# KiCad board PC110.kicad_pcb
title: MINI ITX KICAD Template; date: 2023-04-20; rev: 0.8; company: morpheans.com
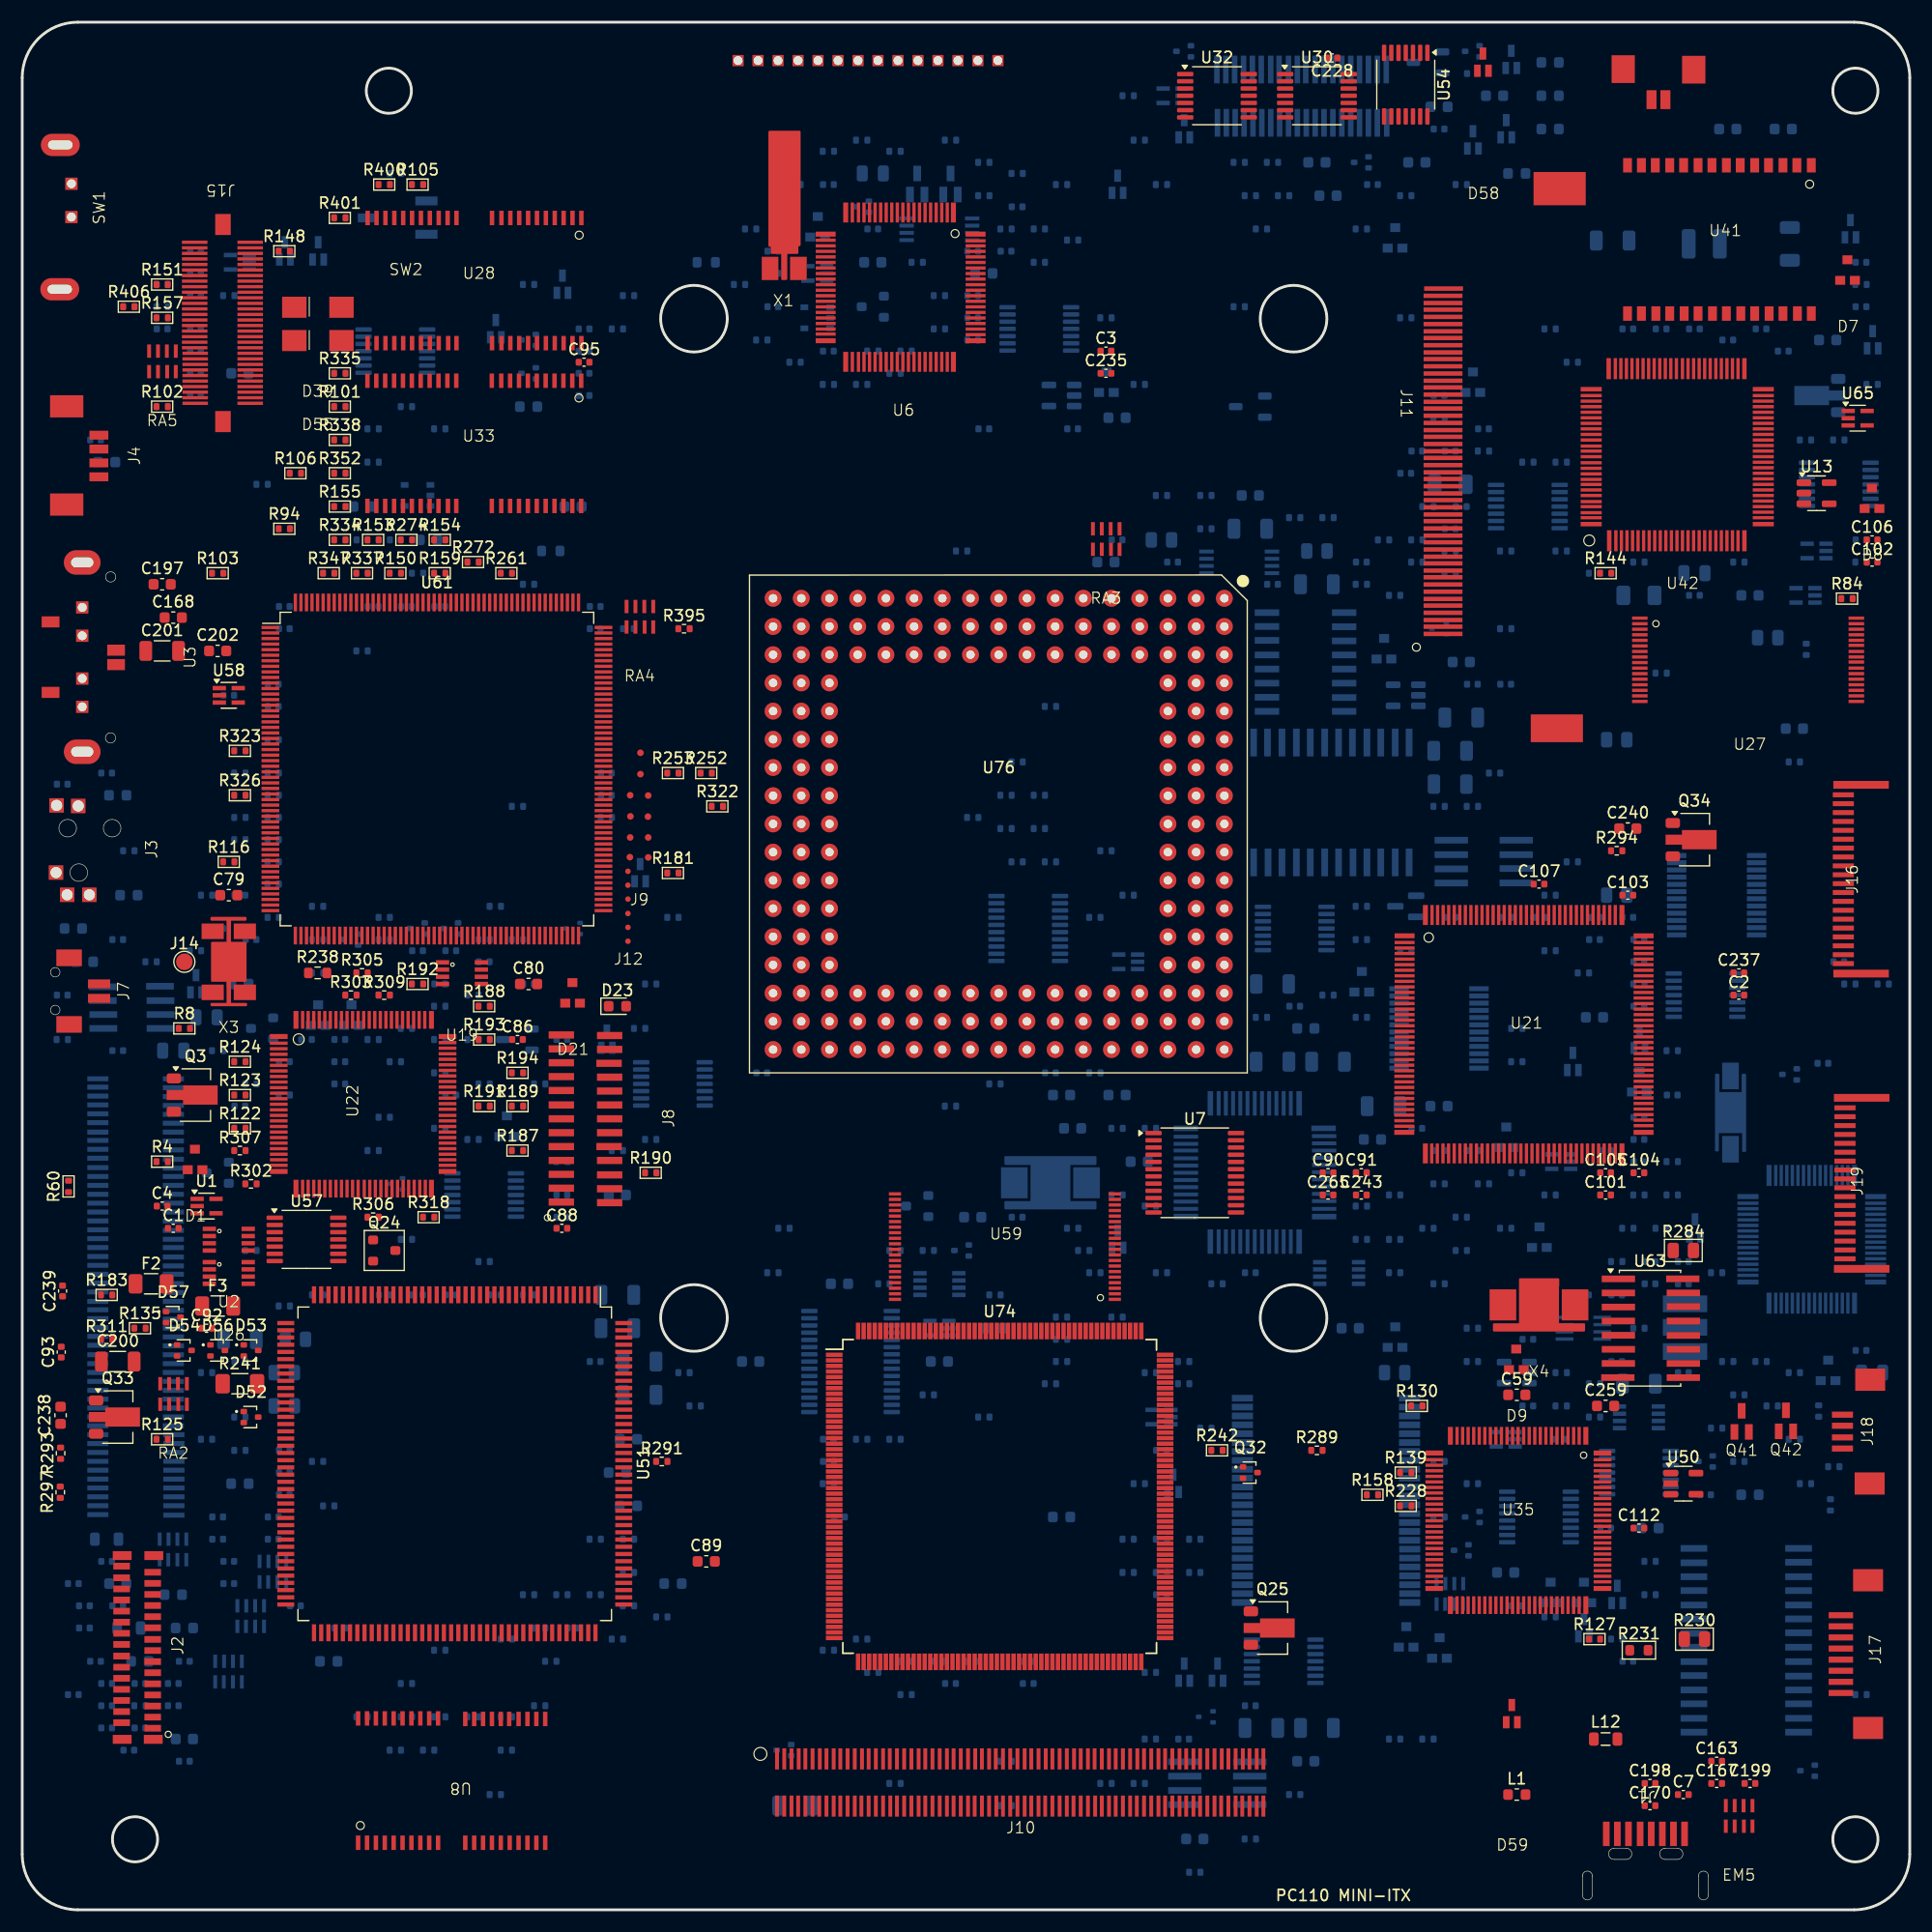
[diagram p0: board, top side]
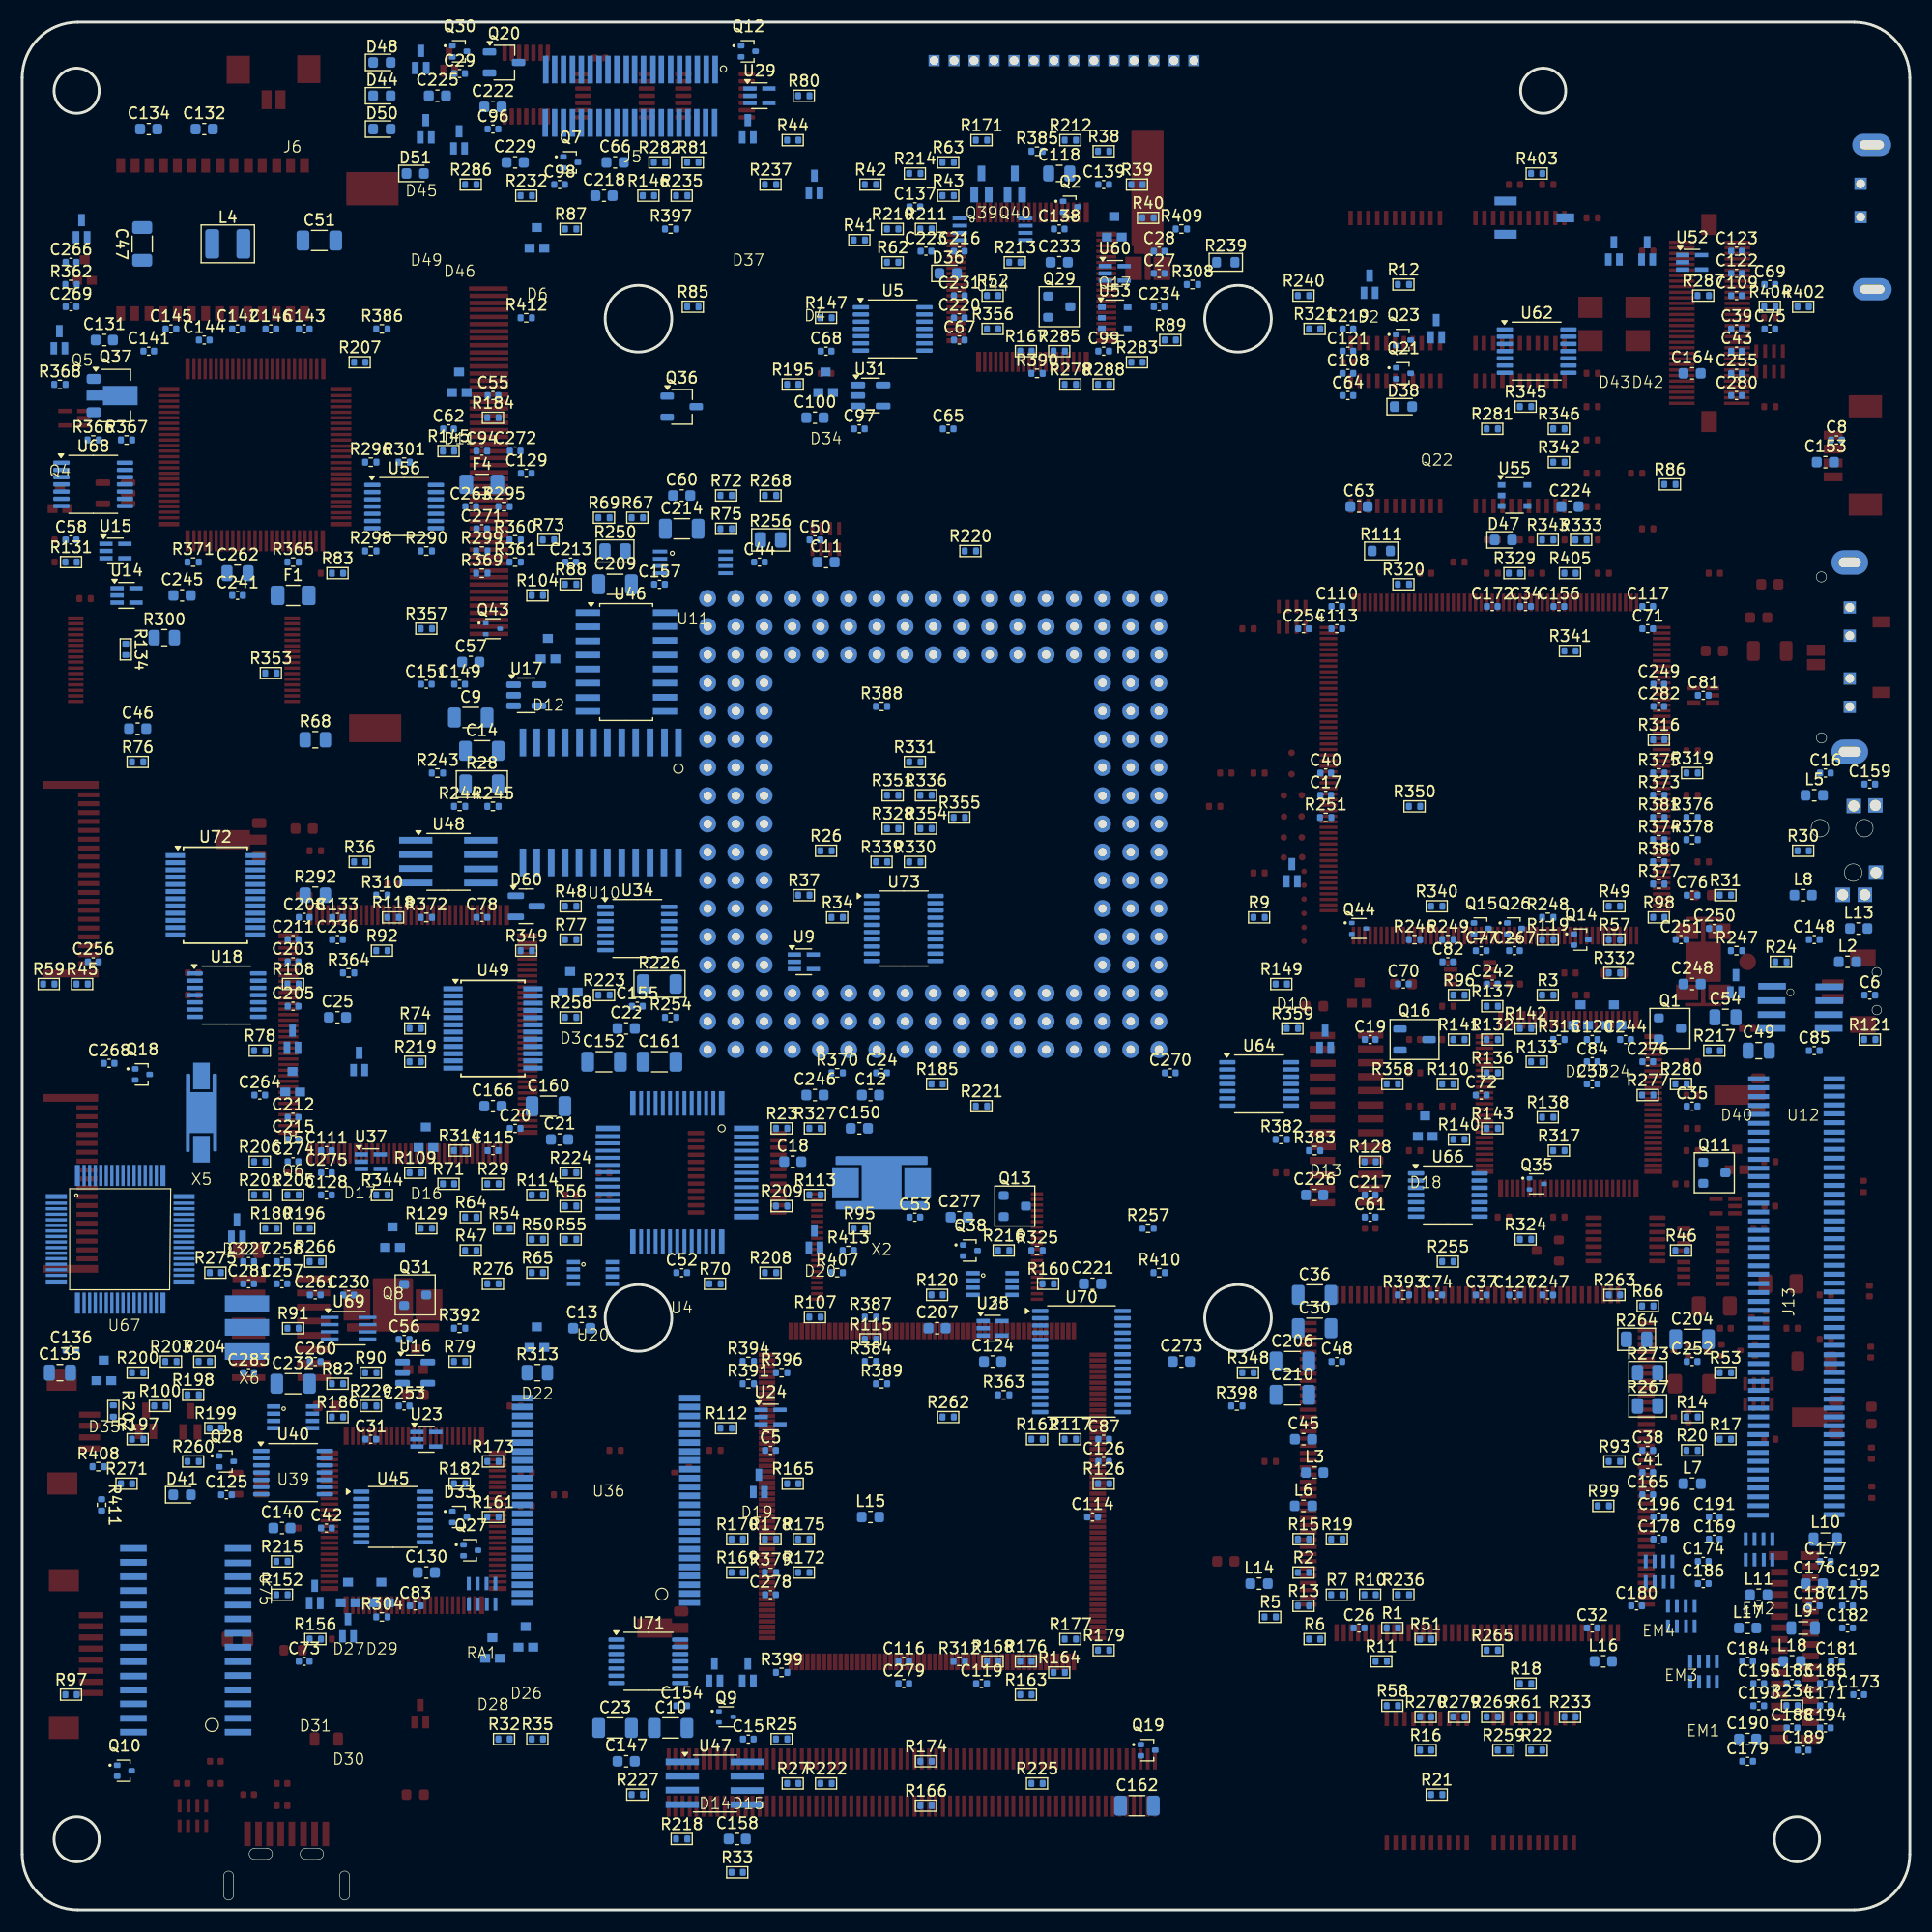
[diagram p1: board, bottom side, seen from below]

Outline 170 x 170 mm; copper layers: Top, In1.Cu, In2.Cu, In3.Cu, In4.Cu, In5.Cu, In6.Cu, In7.Cu, In8.Cu, Bottom. Coordinates in mm from the lower left corner of the outline.
Outline path: circle c10.16,6.35 r2.03 ; circle c33.02,163.83 r2.03 ; circle c60.5,143.3 r3 ; circle c60.5,53.3 r3 ; circle c114.5,143.3 r3 ; circle c114.5,53.3 r3 ; circle c165.1,163.83 r2.03 ; circle c165.1,6.35 r2.03 ; 0,165 0,5 arc(1.46,1.46) 5,0 165,0 arc(168.54,1.46) 170,5 170,165 arc(168.54,168.54) 165,170 5,170 arc(1.46,168.54) 0,165
Stack: Top 0.035mm / dielectric 0.1mm FR4 er 4.5 / In1.Cu 0.035mm / dielectric 0.1825mm FR4 er 4.5 / In2.Cu 0.035mm / dielectric 0.1mm FR4 er 4.5 / In3.Cu 0.035mm / dielectric 0.1825mm FR4 er 4.5 / In4.Cu 0.035mm / dielectric 0.1mm FR4 er 4.5 / In5.Cu 0.035mm / dielectric 0.1825mm FR4 er 4.5 / In6.Cu 0.035mm / dielectric 0.1mm FR4 er 4.5 / In7.Cu 0.035mm / dielectric 0.1825mm FR4 er 4.5 / In8.Cu 0.035mm / dielectric 0.1mm FR4 er 4.5 / Bottom 0.035mm

## Placement (name value [footprint] x y rotation side)
C1  DNP  [C_0402_1005Metric]  13.6 61.38 0 top  (not fitted)
C2  150nF  [C_0402_1005Metric]  154.6 82.38 0 top
C3  100nF  [C_0402_1005Metric]  97.6 140.38 0 top
C4  1nF  [C_0402_1005Metric]  12.6 63.38 0 top
C5  150nF  [C_0402_1005Metric]  102.6 41.38 180 bottom
C6  DNP  [C_0402_1005Metric]  3.6 82.38 180 bottom  (not fitted)
C7  100nF  [C_0402_1005Metric]  149.6 10.38 0 top
C8  150nF  [C_0402_1005Metric]  6.6 132.38 180 bottom
C9  10uF  [C_1206_3216Metric]  129.6 107.38 180 bottom
C10  DNP  [C_1206_3216Metric]  111.6 16.38 180 bottom  (not fitted)
C11  270nF  [C_0603_1608Metric]  97.6 121.38 180 bottom
C12  250nF  [C_0603_1608Metric]  93.6 73.38 180 bottom
C13  270nF  [C_0603_1608Metric]  119.6 52.38 180 bottom
C14  10uF  [C_1206_3216Metric]  128.6 104.38 180 bottom
C15  1nF  [C_0402_1005Metric]  104.6 15.38 180 bottom
C16  100pF  [C_0402_1005Metric]  7.6 102.38 180 bottom
C17  150nF  [C_0402_1005Metric]  52.6 100.38 180 bottom
C18  270nF  [C_0603_1608Metric]  100.6 67.38 180 bottom
C19  150nF  [C_0402_1005Metric]  48.6 78.38 180 bottom
C20  1.5nF  [C_0402_1005Metric]  125.6 70.38 180 bottom
C21  270nF  [C_0603_1608Metric]  121.6 69.38 180 bottom
C22  270nF  [C_0603_1608Metric]  115.6 79.38 180 bottom
C23  10uF  [C_1206_3216Metric]  116.6 16.38 180 bottom
C24  DNP  [C_0402_1005Metric]  92.6 75.38 180 bottom  (not fitted)
C25  270nF  [C_0603_1608Metric]  141.6 80.38 180 bottom
C26  150nF  [C_0402_1005Metric]  49.6 25.38 180 bottom
C27  18pF  [C_0402_1005Metric]  67.6 147.38 180 bottom
C28  18pF  [C_0402_1005Metric]  67.6 149.38 180 bottom
C29  120nF  [C_0402_1005Metric]  130.6 165.38 180 bottom
C30  10uF  [C_1206_3216Metric]  53.6 52.38 180 bottom
C31  150nF  [C_0402_1005Metric]  138.6 42.38 180 bottom
C32  150nF  [C_0402_1005Metric]  28.6 25.38 180 bottom
C33  150nF  [C_0402_1005Metric]  28.6 74.38 180 bottom
C34  1nF  [C_0402_1005Metric]  34.6 117.38 180 bottom
C35  150nF  [C_0402_1005Metric]  19.6 72.38 180 bottom
C36  10uF  [C_1206_3216Metric]  53.6 55.38 180 bottom
C37  1nF  [C_0402_1005Metric]  38.6 55.38 180 bottom
C38  1nF  [C_0402_1005Metric]  23.6 41.38 180 bottom
C39  150nF  [C_0402_1005Metric]  15.6 142.38 180 bottom
C40  1nF  [C_0402_1005Metric]  52.6 102.38 180 bottom
C41  120nF  [C_0402_1005Metric]  23.6 39.38 180 bottom
C42  150nF  [C_0402_1005Metric]  142.6 34.38 180 bottom
C43  1nF  [C_0402_1005Metric]  15.6 140.38 180 bottom
C44  5.6nF  [C_0402_1005Metric]  103.6 121.38 180 bottom
C45  270nF  [C_0603_1608Metric]  54.6 42.38 180 bottom
C46  10nF  [C_0603_1608Metric]  159.6 106.38 180 bottom
C47  5.6uF  [C_1206_3216Metric]  159.19 150.03 90 bottom
C48  330nF  [C_0402_1005Metric]  51.6 49.38 180 bottom
C49  2.2uF  [C_0805_2012Metric]  13.6 77.38 180 bottom
C50  DNP  [C_0402_1005Metric]  98.6 123.38 180 bottom  (not fitted)
C51  10uF  [C_1206_3216Metric]  143.24 150.34 180 bottom
C52  22pF  [C_0402_1005Metric]  110.6 57.38 180 bottom
C53  22pF  [C_0402_1005Metric]  89.6 62.38 180 bottom
C54  2.7uF  [C_0805_2012Metric]  16.6 80.38 180 bottom
C55  100nF  [C_0402_1005Metric]  127.6 136.38 180 bottom
C56  100nF  [C_0402_1005Metric]  135.6 51.38 180 bottom
C57  100nF  [C_0603_1608Metric]  129.6 112.38 180 bottom
C58  100nF  [C_0402_1005Metric]  165.6 123.38 180 bottom
C59  10nF  [C_0603_1608Metric]  134.6 46.38 0 top
C60  100nF  [C_0603_1608Metric]  110.6 127.38 180 bottom
C61  180nF  [C_0402_1005Metric]  48.6 62.38 180 bottom
C62  120nF  [C_0402_1005Metric]  131.6 133.38 180 bottom
C63  100nF  [C_0603_1608Metric]  49.6 126.38 180 bottom
C64  1nF  [C_0402_1005Metric]  50.6 136.38 180 bottom
C65  150nF  [C_0402_1005Metric]  86.6 133.38 180 bottom
C66  1uF  [C_0603_1608Metric]  116.6 157.38 180 bottom
C67  100nF  [C_0402_1005Metric]  85.6 141.38 180 bottom
C68  100nF  [C_0402_1005Metric]  97.6 140.38 180 bottom
C69  1nF  [C_0402_1005Metric]  12.6 146.38 180 bottom
C70  100nF  [C_0402_1005Metric]  45.6 83.38 180 bottom
C71  1nF  [C_0402_1005Metric]  23.6 115.38 180 bottom
C72  100nF  [C_0402_1005Metric]  38.6 73.38 180 bottom
C73  120nF  [C_0402_1005Metric]  144.6 22.38 180 bottom
C74  180nF  [C_0402_1005Metric]  42.6 55.38 180 bottom
C75  100nF  [C_0402_1005Metric]  12.6 142.38 180 bottom
C76  100nF  [C_0402_1005Metric]  19.6 91.38 180 bottom
C77  1nF  [C_0402_1005Metric]  38.6 86.38 180 bottom
C78  1nF  [C_0402_1005Metric]  128.6 89.38 180 bottom
C79  1uF  [C_0603_1608Metric]  18.6 91.38 0 top
C80  1uF  [C_0603_1608Metric]  45.6 83.38 0 top  (not fitted)
C81  1nF  [C_0402_1005Metric]  18.6 109.38 180 bottom
C82  100nF  [C_0402_1005Metric]  41.6 85.38 180 bottom
C83  100nF  [C_0402_1005Metric]  134.6 27.38 180 bottom
C84  100nF  [C_0402_1005Metric]  28.6 76.38 180 bottom
C85  1nF  [C_0402_1005Metric]  8.6 77.38 180 bottom
C86  180nF  [C_0402_1005Metric]  44.6 78.38 0 top
C87  120nF  [C_0402_1005Metric]  72.6 42.38 180 bottom
C88  180nF  [C_0402_1005Metric]  48.6 61.38 0 top
C89  470nF  [C_0603_1608Metric]  61.6 31.38 0 top
C90  120nF  [C_0402_1005Metric]  117.6 66.38 0 top
C91  100nF  [C_0402_1005Metric]  120.6 66.38 0 top
C92  120nF  [C_0402_1005Metric]  16.6 52.38 0 top
C93  100nF  [C_0402_1005Metric]  3.51 50.23 90 top
C94  100nF  [C_0402_1005Metric]  128.6 131.38 180 bottom
C95  150nF  [C_0402_1005Metric]  50.6 139.38 0 top
C96  150nF  [C_0402_1005Metric]  127.6 160.38 180 bottom
C97  100nF  [C_0402_1005Metric]  94.6 133.38 180 bottom
C98  330pF  [C_0402_1005Metric]  121.6 155.38 180 bottom
C99  100pF  [C_0402_1005Metric]  72.6 140.38 180 bottom
C100  10nF  [C_0603_1608Metric]  98.6 134.38 180 bottom
C101  180nF  [C_0402_1005Metric]  142.6 64.38 0 top
C102  120nF  [C_0402_1005Metric]  166.6 121.38 0 top
C103  150nF  [C_0402_1005Metric]  144.6 91.38 0 top
C104  150nF  [C_0402_1005Metric]  145.6 66.38 0 top
C105  150nF  [C_0402_1005Metric]  142.6 66.38 0 top
C106  1nF  [C_0402_1005Metric]  166.6 123.38 0 top
C107  1nF  [C_0402_1005Metric]  136.6 92.38 0 top
C108  150nF  [C_0402_1005Metric]  50.6 138.38 180 bottom
C109  180nF  [C_0402_1005Metric]  15.6 145.38 180 bottom
C110  1nF  [C_0402_1005Metric]  51.6 117.38 180 bottom
C111  1nF  [C_0402_1005Metric]  142.6 68.38 180 bottom
C112  150nF  [C_0402_1005Metric]  145.6 34.38 0 top
C113  120nF  [C_0402_1005Metric]  51.6 115.38 180 bottom
C114  100nF  [C_0402_1005Metric]  73.6 35.38 180 bottom
C115  100nF  [C_0402_1005Metric]  127.6 68.38 180 bottom
C116  100nF  [C_0402_1005Metric]  90.6 22.38 180 bottom
C117  100nF  [C_0402_1005Metric]  23.6 117.38 180 bottom
C118  2.7uF  [C_0805_2012Metric]  76.6 156.38 180 bottom
C119  100nF  [C_0402_1005Metric]  83.6 20.38 180 bottom
C120  100nF  [C_0402_1005Metric]  28.6 78.38 180 bottom
C121  100nF  [C_0402_1005Metric]  50.6 140.38 180 bottom
C122  100nF  [C_0402_1005Metric]  15.6 147.38 180 bottom
C123  150nF  [C_0402_1005Metric]  15.6 149.38 180 bottom
C124  150nF  [C_0603_1608Metric]  82.6 49.38 180 bottom
C125  1nF  [C_0402_1005Metric]  151.6 37.38 180 bottom
C126  150nF  [C_0402_1005Metric]  72.6 40.38 180 bottom
C127  100nF  [C_0402_1005Metric]  35.6 55.38 180 bottom
C128  150nF  [C_0402_1005Metric]  142.6 64.38 180 bottom
C129  100nF  [C_0402_1005Metric]  124.6 129.38 180 bottom
C130  1uF  [C_0603_1608Metric]  133.6 30.38 180 bottom
C131  10nF  [C_0603_1608Metric]  162.6 141.38 180 bottom
C132  100nF  [C_0603_1608Metric]  153.6 160.38 180 bottom
C133  100nF  [C_0402_1005Metric]  141.6 89.38 180 bottom
C134  150nF  [C_0603_1608Metric]  158.6 160.38 180 bottom
C135  2.7uF  [C_0805_2012Metric]  166.6 48.38 180 bottom
C136  150nF  [C_0402_1005Metric]  165.6 50.38 180 bottom
C137  1nF  [C_0402_1005Metric]  89.6 153.38 180 bottom
C138  1nF  [C_0402_1005Metric]  76.6 151.38 180 bottom
C139  100nF  [C_0402_1005Metric]  72.6 155.38 180 bottom
C140  1uF  [C_0603_1608Metric]  146.6 34.38 180 bottom
C141  100nF  [C_0402_1005Metric]  158.6 140.38 180 bottom
C142  150nF  [C_0402_1005Metric]  150.6 142.38 180 bottom
C143  150nF  [C_0402_1005Metric]  144.6 142.38 180 bottom
C144  100pF  [C_0402_1005Metric]  153.6 141.38 180 bottom
C145  100pF  [C_0402_1005Metric]  156.6 142.38 180 bottom
C146  100nF  [C_0402_1005Metric]  147.6 142.38 180 bottom
C147  1uF  [C_0603_1608Metric]  115.6 13.38 180 bottom
C148  DNP  [C_0402_1005Metric]  8.6 87.38 180 bottom
C149  100nF  [C_0402_1005Metric]  130.6 110.38 180 bottom
C150  10nF  [C_0603_1608Metric]  94.6 70.38 180 bottom
C151  150nF  [C_0402_1005Metric]  133.6 110.38 180 bottom
C152  10uF  [C_1206_3216Metric]  117.6 76.38 180 bottom
C153  1uF  [C_0603_1608Metric]  7.6 130.38 180 bottom
C154  100pF  [C_0402_1005Metric]  110.6 18.38 180 bottom
C155  150nF  [C_0402_1005Metric]  114.6 81.38 180 bottom
C156  100nF  [C_0402_1005Metric]  31.6 117.38 180 bottom
C157  150nF  [C_0402_1005Metric]  112.6 119.38 180 bottom
C158  1uF  [C_0603_1608Metric]  105.6 6.38 180 bottom
C159  DNP  [C_0402_1005Metric]  3.6 101.38 180 bottom
C160  10uF  [C_1206_3216Metric]  122.6 72.38 180 bottom
C161  10uF  [C_1206_3216Metric]  112.6 76.38 180 bottom
C162  10uF  [C_1206_3216Metric]  69.6 9.38 180 bottom
C163  220pF  [C_0402_1005Metric]  152.6 13.38 0 top
C164  330nF  [C_0603_1608Metric]  19.6 138.38 180 bottom
C165  DNP  [C_0402_1005Metric]  23.6 37.38 180 bottom
C166  300nF  [C_0603_1608Metric]  127.6 72.38 180 bottom
C167  220pF  [C_0402_1005Metric]  152.6 11.38 0 top
C168  1uF  [C_0603_1608Metric]  13.6 116.38 0 top
C169  56pF  [C_0402_1005Metric]  17.6 33.38 180 bottom
C170  220pF  [C_0402_1005Metric]  146.6 9.38 0 top
C171  56pF  [C_0402_1005Metric]  7.6 18.38 180 bottom
C172  100nF  [C_0402_1005Metric]  37.6 117.38 180 bottom
C173  56pF  [C_0402_1005Metric]  4.6 19.38 180 bottom
C174  56pF  [C_0402_1005Metric]  18.6 31.38 180 bottom
C175  56pF  [C_0402_1005Metric]  5.6 27.38 180 bottom
C176  470nF  [C_0603_1608Metric]  8.6 29.38 180 bottom
C177  56pF  [C_0402_1005Metric]  7.6 31.38 180 bottom
C178  56pF  [C_0402_1005Metric]  22.6 33.38 180 bottom
C179  1nF  [C_0402_1005Metric]  14.6 13.38 180 bottom
C180  56pF  [C_0402_1005Metric]  24.6 27.38 180 bottom
C181  56pF  [C_0402_1005Metric]  6.6 22.38 180 bottom
C182  56pF  [C_0402_1005Metric]  5.6 25.38 180 bottom
C183  56pF  [C_0402_1005Metric]  10.6 20.38 180 bottom
C184  56pF  [C_0402_1005Metric]  14.6 22.38 180 bottom
C185  56pF  [C_0402_1005Metric]  7.6 20.38 180 bottom
C186  56pF  [C_0402_1005Metric]  18.6 29.38 180 bottom
C187  56pF  [C_0402_1005Metric]  8.6 27.38 180 bottom
C188  1nF  [C_0402_1005Metric]  10.6 16.38 180 bottom
C189  100nF  [C_0402_1005Metric]  9.6 14.38 180 bottom
C190  10nF  [C_0603_1608Metric]  14.6 15.38 180 bottom
C191  56pF  [C_0402_1005Metric]  17.6 35.38 180 bottom
C192  56pF  [C_0402_1005Metric]  4.6 29.38 180 bottom
C193  56pF  [C_0402_1005Metric]  13.6 18.38 180 bottom
C194  56pF  [C_0402_1005Metric]  7.6 16.38 180 bottom
C195  56pF  [C_0402_1005Metric]  13.6 20.38 180 bottom
C196  56pF  [C_0402_1005Metric]  22.6 35.38 180 bottom
C197  300nF  [C_0603_1608Metric]  12.6 119.38 0 top
C198  120nF  [C_0402_1005Metric]  146.6 11.38 0 top
C199  220pF  [C_0402_1005Metric]  155.6 11.38 0 top
C200  10uF  [C_1206_3216Metric]  8.6 49.38 0 top
C201  10uF  [C_1206_3216Metric]  12.6 113.38 0 top
C202  150nF  [C_0603_1608Metric]  17.6 113.38 0 top
C203  150nF  [C_0402_1005Metric]  145.6 85.38 180 bottom
C204  10uF  [C_1206_3216Metric]  19.6 51.38 180 bottom
C205  150nF  [C_0402_1005Metric]  145.6 81.38 180 bottom
C206  10uF  [C_1206_3216Metric]  55.6 49.38 180 bottom
C207  300nF  [C_0603_1608Metric]  87.6 52.38 180 bottom
C208  1nF  [C_0402_1005Metric]  144.6 89.38 180 bottom
C209  10uF  [C_1206_3216Metric]  116.6 119.38 180 bottom
C210  10uF  [C_1206_3216Metric]  55.6 46.38 180 bottom
C211  150nF  [C_0402_1005Metric]  145.6 87.38 180 bottom
C212  150nF  [C_0402_1005Metric]  145.6 71.38 180 bottom
C213  100nF  [C_0402_1005Metric]  120.6 121.38 180 bottom
C214  10uF  [C_1206_3216Metric]  110.6 124.38 180 bottom
C215  100nF  [C_0402_1005Metric]  145.6 69.38 180 bottom
C216  150nF  [C_0402_1005Metric]  85.6 149.38 180 bottom
C217  150nF  [C_0402_1005Metric]  48.6 64.38 180 bottom
C218  150nF  [C_0603_1608Metric]  117.6 154.38 180 bottom
C219  150nF  [C_0402_1005Metric]  50.6 142.38 180 bottom
C220  150nF  [C_0402_1005Metric]  85.6 143.38 180 bottom
C221  150nF  [C_0603_1608Metric]  73.6 56.38 180 bottom
C222  10nF  [C_0603_1608Metric]  127.6 162.38 180 bottom
C223  150nF  [C_0402_1005Metric]  88.6 149.38 180 bottom
C224  10nF  [C_0603_1608Metric]  30.6 126.38 180 bottom
C225  1uF  [C_0603_1608Metric]  132.6 163.38 180 bottom
C226  1uF  [C_0603_1608Metric]  53.6 64.38 180 bottom
C227  150nF  [C_0402_1005Metric]  149.6 58.38 180 bottom
C228  100pF  [C_0402_1005Metric]  117.97 166.78 180 top
C229  1uF  [C_0603_1608Metric]  125.6 157.38 180 bottom
C230  DNP  [C_0402_1005Metric]  140.6 55.38 180 bottom  (not fitted)
C231  150nF  [C_0402_1005Metric]  85.6 145.38 180 bottom
C232  10uF  [C_1206_3216Metric]  145.6 47.38 180 bottom
C233  330nF  [C_0603_1608Metric]  76.6 148.38 180 bottom
C234  150nF  [C_0402_1005Metric]  67.6 144.38 180 bottom
C235  150nF  [C_0402_1005Metric]  97.6 138.38 0 top
C236  100nF  [C_0402_1005Metric]  141.6 87.38 180 bottom
C237  150nF  [C_0402_1005Metric]  154.6 84.38 0 top
C238  1uF  [C_0603_1608Metric]  3.45 44.54 90 top
C239  150nF  [C_0402_1005Metric]  3.63 55.73 90 top
C240  300nF  [C_0603_1608Metric]  144.6 97.38 0 top
C241  100nF  [C_0402_1005Metric]  150.6 118.38 180 bottom
C242  100nF  [C_0402_1005Metric]  37.6 83.38 180 bottom
C243  120nF  [C_0402_1005Metric]  120.6 64.38 0 top
C244  120nF  [C_0402_1005Metric]  25.6 78.38 180 bottom
C245  10nF  [C_0603_1608Metric]  155.6 118.38 180 bottom
C246  150nF  [C_0603_1608Metric]  98.6 73.38 180 bottom
C247  1nF  [C_0402_1005Metric]  32.6 55.38 180 bottom
C248  1uF  [C_0603_1608Metric]  19.6 83.38 180 bottom
C249  150nF  [C_0402_1005Metric]  22.6 110.38 180 bottom
C250  18pF  [C_0402_1005Metric]  17.6 88.38 180 bottom
C251  18pF  [C_0402_1005Metric]  20.6 87.38 180 bottom
C252  1nF  [C_0402_1005Metric]  19.6 49.38 180 bottom
C253  150nF  [C_0402_1005Metric]  135.6 45.38 180 bottom
C254  1nF  [C_0402_1005Metric]  54.6 115.38 180 bottom
C255  120nF  [C_0402_1005Metric]  15.6 138.38 180 bottom
C256  150nF  [C_0402_1005Metric]  163.6 85.38 180 bottom
C257  DNP  [C_0402_1005Metric]  146.6 56.38 180 bottom  (not fitted)
C258  220pF  [C_0402_1005Metric]  146.6 58.38 180 bottom
C259  330nF  [C_0603_1608Metric]  142.6 45.38 0 top
C260  1nF  [C_0402_1005Metric]  143.6 49.38 180 bottom
C261  DNP  [C_0402_1005Metric]  143.6 55.38 180 bottom  (not fitted)
C262  1.5uF  [C_0805_2012Metric]  150.6 120.38 180 bottom
C263  100nF  [C_0402_1005Metric]  129.6 126.38 180 bottom
C264  56pF  [C_0402_1005Metric]  148.6 73.38 180 bottom
C265  150nF  [C_0402_1005Metric]  117.6 64.38 0 top
C266  180pF  [C_0402_1005Metric]  165.6 148.38 180 bottom
C267  DNP  [C_0402_1005Metric]  35.6 86.38 180 bottom
C268  56pf  [C_0402_1005Metric]  162.17 76.24 180 bottom
C269  220pF  [C_0402_1005Metric]  165.6 144.38 180 bottom
C270  DNP  [C_0402_1005Metric]  66.6 75.38 180 bottom  (not fitted)
C271  150nF  [C_0402_1005Metric]  128.6 124.38 180 bottom
C272  150nF  [C_0402_1005Metric]  125.6 131.38 180 bottom
C273  150nF  [C_0603_1608Metric]  65.6 49.38 180 bottom
C274  100nF  [C_0402_1005Metric]  145.6 67.38 180 bottom
C275  100nF  [C_0402_1005Metric]  142.6 66.38 180 bottom
C276  100nF  [C_0402_1005Metric]  23.6 76.38 180 bottom
C277  1uF  [C_0603_1608Metric]  85.6 62.38 180 bottom
C278  150nF  [C_0402_1005Metric]  102.6 28.38 180 bottom
C279  120nF  [C_0402_1005Metric]  90.6 20.38 180 bottom
C280  100nF  [C_0402_1005Metric]  15.6 136.38 180 bottom
C281  39pF  [C_0402_1005Metric]  149.6 56.38 180 bottom
C282  150nF  [C_0402_1005Metric]  22.6 108.38 180 bottom
C283  39pF  [C_0402_1005Metric]  149.6 48.38 180 bottom
D1  -  [3D]  15.6 67.38 0 top
D2  K  [SOT-416L]  48.6 146.38 180 bottom
D3  -  [3D]  120.6 83.38 180 bottom
D4  N  [SOT-416L]  98.6 155.38 180 bottom
D5  -  [3D]  145.6 74.38 180 bottom
D6  Q  [3D]  123.6 150.38 180 bottom
D7  Q  [3D]  164.43 147.48 0 top
D8  DNP  [3D]  166.63 126.92 0 top  (not fitted)
D9  DNP  [3D]  134.6 49.38 0 top  (not fitted)
D10  K  [SOT-416L]  55.6 93.38 180 bottom
D11  DNP  [3D]  130.6 137.38 180 bottom  (not fitted)
D12  DNP  [3D]  122.6 113.38 180 bottom  (not fitted)
D13  K  [SOT-416L]  52.6 78.38 180 bottom
D14  N  [SOT-416L]  107.6 21.38 180 bottom
D15  N  [SOT-416L]  104.6 21.38 180 bottom